# Altium PCB AC_DC_PCB.PcbDoc (continued)
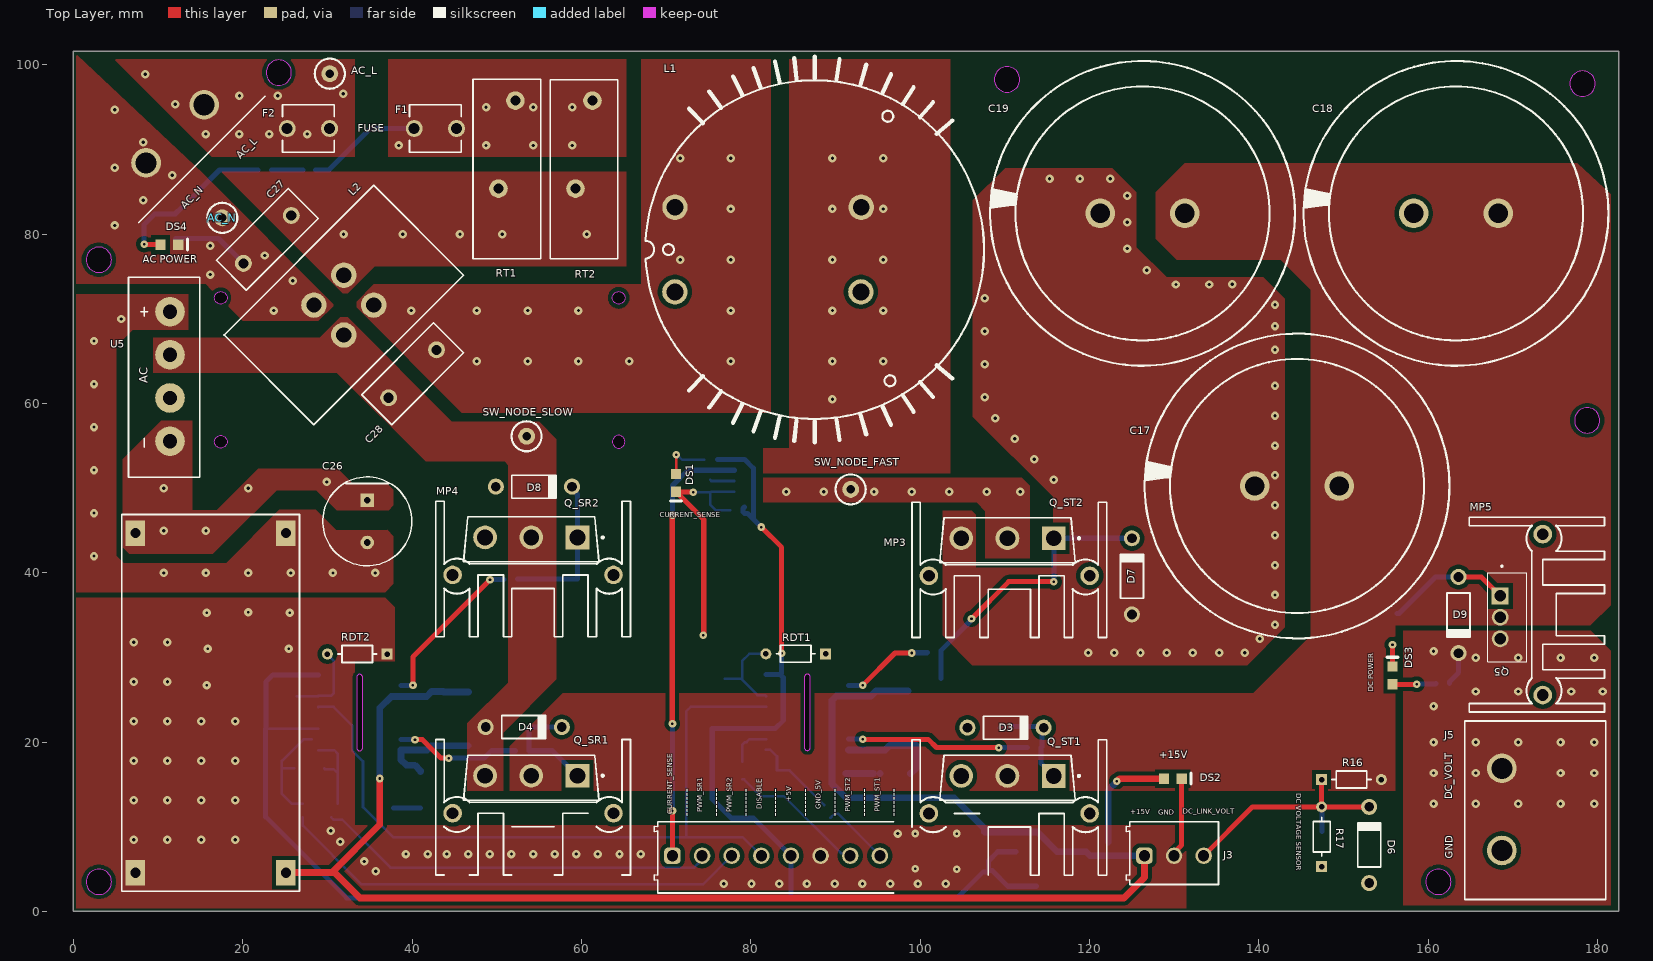
[diagram p0: Top Layer view]
## Part data (continued)
AC_L AC_N: library part TP, "Test Point, Miniature, Red, TH"
C1 C2 C3 C4 C5 C6 C7 C8 C9 C10 C11 C12 C13 C14 C15 C16 C20 C21 C22 C23 C24 C25 C29 C30 C31: library part CMP-1036-04552-2, "CAP CER 0.22UF 50V X7R 0805", Capacitance="0.22 μF", Manufacturer=KEMET, Manufacturer Part Number=C0805C224K5RACTU, Package=C0805C-DN, Temperature="-55°C to +125°C", Temperature Characteristic=X7R, Temperature Coefficient=30ppm/°C, Temperature Range High=+125°C, Temperature Range Low=-55°C, Tolerance=0.1, Voltage Rating="50 V", Automotive=No, Category=Cap, ComponentLink2Description=Datasheet, ComponentLink2URL=https://content.kemet.com/datasheets/KEM_C1003_C0G_SMD.pdf, Device Class L1="Passive Components", Device Class L2=Capacitors, Device Class L3="Ceramic Capacitors", Digikey Description="CAP CER 0.22UF 50V X7R 0805", Height=0.88mm, Ipc Land Pattern Name=CAPC200125X78, Lead Free=Yes, Material=Ceramic, Mouser Description="CAP CER 0.22UF 50V X7R 0805", Octopart=https://octopart.com/c0805c224k5ractu-kemet-144670, RoHS=TRUE
C17 C18 C19: library part C
C26: library part CMP-05427-001313-1, "Aluminum Electrolytic Capacitors (Radial Lead Type) AEC-Q200 Qualified 100uF ±20% 100V", Case/Package=Radial, ESR (Equivalent Series Resistance)=150mR, Leakage Current=3uA, Max Operating Temperature=105°C, Min Operating Temperature=-55°C, Package Quantity=100, Ratings=AEC-Q200, Ripple Current=698mA, Tolerance=20%, Voltage=100V, Capacitance=100uF, Construction=RADIAL, Contact Plating=Tin, Diameter=10mm, Dissipation Factor=0.07%, Height=30mm, Height - Seated (Max)=1.181inch, Impedance=150mR, Lead Diameter=0.6mm, Lead Free="Lead Free", Lead Pitch=5mm, Length=30mm, Life (Hours)=3000Hour, Mount="Through Hole", Number of Pins=2, Packaging=Bulk, Polarity=Polar, Radiation Hardening=No, REACH SVHC="No SVHC", Ripple Current (AC)=698mA, RoHS Compliant=Yes, Series=FC, Size=30mm, Termination=Radial, Voltage Rating=100V, Voltage Rating (DC)=100V
C27 C28: library part H124K, "H124K  / 450MPPN"
D1 D2: Package=None, Availability=Unavailable, MF="{'manufacturer': u'Taiwan Semiconductor'}", MP=ES3GB, Price=None
D3 D4 D7 D8 D9: library part CMP-0892-00005-1, "Zener Diode, 15V, 1W, 5%, -65 to 200 degC, 2-Pin DO-41, Body 2.72 x 5.2 mm, RoHS", Manufacturer="Fairchild Semiconductor", Operating and Storage Temperature Range="-65 to 200 degC", Test Current IZ (mA)=17, Tolerance=5%, ComponentLink1Description="Manufacturer URL", ComponentLink1URL=http://www.fairchildsemi.com/, ComponentLink2Description=Datasheet, ComponentLink2URL=http://www.fairchildsemi.com/ds/1N/1N4744A.pdf, ComponentLink3Description="Package Specification", ComponentLink3URL=http://www.fairchildsemi.com/dwg/DO/DO41A.pdf, DatasheetVersion="Rev. H3", IR (uA)=5, Mounting Technology="Through Hole", PackageDescription="2-Pin Axial leaded, Body 2.72 x 5.2 mm, Lead Spread 25.4 mm", PackageReference=DO-41-2, PackageVersion="Rev. 2", PartNumber=1N4744A, PD (W)=1, RoHS=TRUE, VZ (Max.) (V)=15.75, VZ (Min.) (V)=14.25, ZZ (Max) (ohm)=10
D5: library part CMP-12389-000001-1, "Rectifier, 1Kv, 1A, Do-214Ac Rohs Compliant: Yes"
D6: library part CMP-0892-00028-1, "Zener Diode, 3.3V, 1W, 5%, -65 to 200 degC, 2-Pin DO-41, Body 2.72 x 5.2 mm, RoHS", Manufacturer="Fairchild Semiconductor", Operating and Storage Temperature Range="-65 to 200 degC", Test Current IZ (mA)=76, Tolerance=5%, ComponentLink1Description="Manufacturer URL", ComponentLink1URL=http://www.fairchildsemi.com/, ComponentLink2Description=Datasheet, ComponentLink2URL=http://www.fairchildsemi.com/ds/1N/1N4744A.pdf, ComponentLink3Description="Package Specification", ComponentLink3URL=http://www.fairchildsemi.com/dwg/DO/DO41A.pdf, DatasheetVersion="Rev. H3", IR (uA)=100, Mounting Technology="Through Hole", PackageDescription="2-Pin Axial leaded, Body 2.72 x 5.2 mm, Lead Spread 25.4 mm", PackageReference=DO-41-2, PackageVersion="Rev. 2", PartNumber=1N4728A, PD (W)=1, RoHS=TRUE, VZ (Max.) (V)=3.465, VZ (Min.) (V)=3.135, ZZ (Max) (ohm)=10
DS1 DS2 DS3 DS4: library part CMP-2000-05062-1, "Chip LED, Green, 2.2 V, -40 to 85 degC, 2-Pin SMD, Pb-Free, Tape and Reel", Forward Current If=20mA, Forward Voltage=2.2V, Forward Voltage VF Max=2.6V, LED Colour=Green, Manufacturer=Avago, Operating Temperature Max=85degC, Operating Temperature Min=-30degC, Operating Temperature Range=-30degCto+85degC, Opto Case Style=SMD, Package Description="2-Pin Surface Mount Device, Body 2 x 1.25 mm, Height 0.8 mm", Package Reference=HSMX-C170, Storage Temperature Min=-40degC, Bulb Size=1.25mmx1.4mm, Datasheet URL=https://datasheet.ciiva.com/29280/180495-da-01-en-chip-led-hsmg-c170-gelb-gruen-29280971.pdf, Datasheet Version=Oct-08, Dominant Wavelength=572nm, Dominant Wavelength Typ=572nm, External Depth=0.8mm, External Length / Height=2mm, External Width=1.25mm, Forward Current If Max=20mA, LED Mounting=SMD, LED Type=Standard, Lens Shape=Rectangular, Light Area Height=1mm, Luminous Intensity=15mcd, Luminous Intensity Min=4mcd, Luminous Intensity Typ=15mcd, Manufacturer URL=http://www.avagotech.com/, Mounting Type=SMD, MSL=MSL2A-4weeks, No. of Pins=2, Opto Mounting Orientation=Top, Packaging=CutTape, Peak Forward Current=20mA, Peak Wavelength=570nm, PIV Max=5V, Storage Temperature Max=85degC, SVHC=NoSVHC(16-Jun-2014), Viewing Angle=170deg, Voltage Vf Typ=2.2V, Wavelength Typ=570nm
F1 F2: library part CMP-26292-000006-1, "FUSE CLIP CARTRIDGE 10A PCB", Ambient Temperature Range High=+85°C, Ambient Temperature Range Low=-40°C, Fuse Current=10A, Manufacturer=Schurter, Package=0, Voltage Rating Ac=500V, Automotive=No, Category=Fuse, ComponentLink2Description=Datasheet, ComponentLink2URL=https://us.schurter.com/bundles/snceschurter/epim/_ProdPool_/newDS/en/typ_OG__Clip__5x20.pdf, Conn Orientation=Horizontal, Device Class L1="Circuit Protection", Device Class L2="Fuse Holders", Device Class L3=unset, Digikey Description="FUSE CLIP CARTRIDGE 10A PCB", Height=8.9mm, Lead Free=Yes, Manufacturer Part Number=0751.0110, Number Of Fuses=1, Octopart=https://octopart.com/0751.0110-schurter-19402, RoHS=TRUE, Voltage Rating Dc=500V
L1: library part T60405-R6123-X425, Datasheet=https://eu.mouser.com/datasheet/2/599/6123-X425-240794.pdf
L2: library part Choke, "Common Mode Choke / Each Coil inductance = 16mH"
Q_SR1 Q_SR2 Q_ST1 Q_ST2: library part CMP-32901-000878-1, "MOSFET N-CH 200V 65A TO247AC", Case/Package=TO-247, Continuous Drain Current (ID)=65A, Drain to Source Voltage (Vdss)=200V, Gate to Source Voltage (Vgs)=30V, Input Capacitance=4.6nF, Max Operating Temperature=175°C, Max Power Dissipation=330W, Min Operating Temperature=-40°C, Threshold Voltage=5V, Contact Plating=Tin, Element Configuration=Single, Halogen Free="Not Halogen Free", Height=0.815inch, Lead Free="Lead Free", Length=0.625inch, Max Dual Supply Voltage=200V, Mount="Through Hole", Number of Pins=3, Packaging=Rail/Tube, Power Dissipation=330W, Rds On Max=25mR, REACH SVHC="No SVHC", RoHS Compliant=Yes, Series=HEXFET®, Turn-On Delay Time=33ns, Width=0.209inch
R1 R2 R3 R4 R5 R6 R7 R8 R9 R10 R11 R12 R13 R14 R15 R18 R19 R20: library part CMP-2100-03668-5, "RES 100K OHM 1% 1/8W 0805", Case Code (Imperial)=0805, Case Code (Metric)=2012, Max Operating Temperature=155°C, Max Power Dissipation=125mW, Min Operating Temperature=-55°C, Package Quantity=1, Resistance=100kR, Resistance Tolerance=1%, Resistor Type="Thick Film", Temperature Coefficient=100ppm/°C, Voltage Rating=150V, Case/Package=0805, Construction=Rectangular, Depth=1.25mm, Features="Moisture Resistant", Height=0.024inch, Lead Free="Lead Free", Lead Pitch=0.4mm, Length=0.079inch, Military Standard=Not, Number of Pins=2, Number of Terminations=2, Packaging="Tape and Reel", Power Rating=125mW, RoHS Compliant=Yes, Series=RC, Size Code=0805, Technology="THICK FILM", Termination=SMD/SMT, Tolerance=1%, Voltage Rating (DC)=150V, Width=0.049inch
R16 R17 RDT1 RDT2: library part RES
R21: library part CMP-2100-03668-5, "RES 47K OHM 1% 1/8W 0805", Case Code (Imperial)=0805, Case Code (Metric)=2012, Max Operating Temperature=155°C, Max Power Dissipation=125mW, Min Operating Temperature=-55°C, Package Quantity=1, Resistance=100kR, Resistance Tolerance=1%, Resistor Type="Thick Film", Temperature Coefficient=100ppm/°C, Voltage Rating=150V, Case/Package=0805, Construction=Rectangular, Depth=1.25mm, Features="Moisture Resistant", Height=0.024inch, Lead Free="Lead Free", Lead Pitch=0.4mm, Length=0.079inch, Military Standard=Not, Number of Pins=2, Number of Terminations=2, Packaging="Tape and Reel", Power Rating=125mW, RoHS Compliant=Yes, Series=RC, Size Code=0805, Technology="THICK FILM", Termination=SMD/SMT, Tolerance=1%, Voltage Rating (DC)=150V, Width=0.049inch
SW_NODE_FAST SW_NODE_SLOW: "Test Point, Miniature, Red, TH"
U1: library part CMP-2000-04990-2, "SENSOR CURRENT HALL 30A AC/DC", Case/Package=SOIC, Current Sensing=30A, Frequency=80kHz, Max Operating Temperature=85°C, Max Supply Current=13mA, Max Supply Voltage=5.5V, Min Operating Temperature=-40°C, Min Supply Voltage=4.5V, Operating Supply Voltage=5V, Output Current=10mA, Package Quantity=1, Accuracy=1.5%, Bandwidth=80kHz, Lead Free="Lead Free", Linearity=1.5%, Mount="Surface Mount", Number of Channels=1, Number of Pins=8, Packaging="Cut Tape", Polarity=Bidirectional, Quiescent Current=10mA, REACH SVHC="No SVHC", Response Time=5us, RoHS Compliant=Yes, Sensitivity=66mV/A, Series=-, Termination=SMD/SMT
U2 U3: library part CMP-04912-000047-1, "DGTL ISO 5.7KV GATE DRVR 16SOIC", Case/Package=SOIC, Max Operating Temperature=125°C, Max Output Current=6A, Max Supply Voltage=25V, Min Operating Temperature=-40°C, Min Supply Voltage=6.5V, Working Voltage=2.121kV, Lead Free="Lead Free", Number of Channels=2, Number of Pins=16, REACH SVHC="No SVHC"

## Free pads (board coordinates)
  round 3.5 hole 2.5: 1(15.432,95.276) 2(8.574,88.418)
  rect 2.3x3 hole 1.2 mask-2539.97: 1(25.09,44.691) 2(7.31,44.691) 4(7.31,4.559)
  round 2.2 hole 1.2: 1(52.2,95.775) 1(61.3,95.775) 2(50.2,85.375) 2(59.3,85.375)
  round 2.2 hole 1.4: 1(63.787,11.6) 1(120.037,11.575) 2(44.787,11.6) 2(101.037,11.575)
  rrect50% 1.95x1.95 hole 1.3: 1(70.75,6.575)
  rect 1.8x0.9 smd far side: 1(108.075,9.38) 3(108.075,4.82)
  round 1.95 hole 1.3: 2(74.25,6.575) 3(77.75,6.575) 4(81.25,6.575) 5(84.75,6.575) 6(88.25,6.575) 7(91.75,6.575) 8(95.25,6.575)
  rect 2.3x3 hole 1.2 paste-2539.97 mask-2539.97: 3(25.09,4.559)
  rect 6.2x5.45 smd far side: 4(101.875,7.1)

## Via types
v1: diameter 1, hole 0.4, Top Layer to Bottom Layer, 191 vias
v2: diameter 0.9, hole 0.3, Top Layer to Bottom Layer, tented both sides, 23 vias
v3: diameter 1, hole 0.3, Top Layer to Bottom Layer, 6 vias
v4: diameter 0.9, hole 0.3, Top Layer to Bottom Layer, 4 vias

## Nets (pads, with @x,y where several pads share a name; then routed paths per layer and width w, separated by ;. In a path a pad name is that pad's centre, name@x,y a point inside that pad or via, vN(x,y) a via of type N, cw(c..) or ccw(c..) an arc to the next point about the centre after c; other vN are vias at no path point)
+V_AC_RECTIFIER: C26.2 pad.1@25.09,44.691 U5.2
  other v1: 10.65,39.975 15.65,39.975 20.65,39.975 25.65,39.975 30.65,39.975 35.65,39.975 2.425,41.975 2.425,47.055 2.425,52.135 2.425,57.215 2.425,62.295 2.425,67.375 5.65,69.975
AC_LINE: C24.1 F1.1 pad.1@52.2,95.775 pad.1@61.3,95.775 | length 13.7
  Bottom Layer w0.6: C24.1 30.15,87.575 35.05,92.475 F1.1@40.25,92.475
  other v1: 38.4,90.475 48.733,90.475 54.317,90.475 58.9,90.475 48.733,94.975 54.317,94.975 58.9,94.975
AC_LINE_FLTR: C28.1 L1.1 L2.2 U5.1
  other v1: 47.65,64.975 53.65,64.975 59.65,64.975 65.65,64.975 77.65,64.975 39.9,70.975 47.65,70.975 53.65,70.975 59.65,70.975 77.65,70.975 71.65,76.975 77.65,76.975 77.65,82.975 71.65,88.975 77.65,88.975
AC_NEUTRAL: AC_N.1 C27.2 D5.2 DS4.2 L2.3 pad.2@8.574,88.418 | length 9.2
  Bottom Layer w0.6: D5.2 16.4,79.475 17.143,79.475 C27.2
  other v1: 23.65,70.975 25.9,74.475 16.15,75.225 22.575,77.475 16.15,78.625 4.875,81.025 8.262,84 11.65,86.975 4.875,87.863 8.262,90.838 4.875,94.7
AC_NEUTRAL_FLTR: C10.2 C11.2 C28.2 D4.1 L2.4 Q_SR1.3 Q_SR2.2 R4.1 SW_NODE_SLOW.1 U3.14 U5.3
CURRENT_MEASU: pad.1@70.75,6.575 U1.7 | length 51.9
  Top Layer w0.6: v2@70.725,22.15 70.725,46.519 70.9,46.694 v2@70.9,46.775 ; pad.1@70.75,6.575 v2(70.75,11.9)
  Bottom Layer w0.6: v2@70.725,22.15 70.75,22.125 v2(70.75,11.9) ; v2(70.75,46.775) 70.75,50.3 72.56,52.11 U1.7
  other v2: 70.75,22.15
DC_LINK: C17.1 C18.1 C19.1 Q5.2 Q_SR1.2 Q_ST1.2 R16.2
DC_VOLT_MEAS: C20.1 D6.2 J3.3 R16.1 R17.2 | length 28.2
  Top Layer w0.6: J3.3 139.275,12.35 R17.2 ; R16.1@147.433,15.641 R17.2 ; D6.2 R17.2
  Bottom Layer w0.6: R17.2 147.475,12.35 C20.1
DIS: pad.4@81.25,6.575 U2.5 U3.5 | length 89
  Bottom Layer w0.3: U3.5 28.935,24.15 30.725,24.15 32.949,21.926 32.949,18.973 34.2,17.722 34.2,12.325 37.775,8.75 72.4,8.75 ; pad.4@81.25,6.575 79.075,8.75 72.4,8.75 ; U2.5 72.91,24.16 72.4,23.65 72.4,8.75
DT_SR: C16.1 RDT2.2 U3.6 | length 9.5
  Bottom Layer w0.3: C16.1 26.351,25.401 28.867,25.401 28.916,25.45 30.425,25.45 30.75,25.775 30.75,29.603 29.991,30.362 RDT2.2
DT_ST: C9.1 RDT1.2 U2.6 | length 11.1
  Bottom Layer w0.3: C9.1 78.85,27.5 78.979,27.371 ; RDT1.2 79.825,30.425 78.979,29.579 78.979,27.371 ; U2.6 81.674,25.556 80.794,25.556 78.979,27.371
GATE_SR1: D4.2 Q_SR1.1 R2.1 R4.2 | length 13.6
  Bottom Layer w0.6: D4.2 57.673,21.764 53.841,21.764 53.827,21.75 R2.1 56.588,18.975 Q_SR1.1
GATE_SR2: D8.2 Q_SR2.1 R6.1 R8.2 | length 18.4
  Bottom Layer w0.6: R6.1 R8.2 Q_SR2.1 59.535,49.24 58.887,49.888 D8.2 ; D8.2@58.387,50.03 D8.2@58.387,50.173
GATE_ST1: D3.2 Q_ST1.1 R1.1 R3.2 | length 11.7
  Bottom Layer w0.6: R3.2 109.578,21.843 114.453,21.843 D3.2 114.406,21.51 114.406,19.454 R1.1 114.302,17.486 Q_ST1.1
GATE_ST2: D7.2 Q_ST2.1 R5.1 R7.2 | length 34.5
  Top Layer w0.6: v2(106.075,34.55) 110.475,38.95 v2(115.8,38.95)
  Bottom Layer w0.6: R7.2 102.452,30.802 106.018,34.368 106.018,34.493 v2(106.075,34.55) ; v2(115.8,38.95) 115.8,44.06 Q_ST2.1 D7.2
GND_VDD: C1.2 C2.2 C5.2 C8.2 C9.2 C12.2 C15.2 C16.2 C21.2 C22.2 C23.2 C25.2 C29.2 C30.2 C31.2 DS1.2 DS2.2 J3.2 pad.4@7.31,4.559 pad.4@101.875,7.1 pad.6 RDT1.1 RDT2.1 U1.5 U2.4 U3.4 | length 38.8
  Top Layer w0.6: DS1.2 DS1.2@71.225,49.525 ; v2(73.2,49.525) DS1.2@71.225,49.525 ; v2(74.4,32.6) 74.45,32.65 74.45,46.3 DS1.2@71.225,49.525 ; J3.2 130,6.94 130.9,7.84 DS2.2
  Bottom Layer w0.3: v2(73.2,49.525) 75.175,49.525 C2.2 ; C1.2 75.85,47.4 75.225,48.025 C2.2 ; U1.5 75.32,49.57 C2.2
  other v1: 76.811,3.275 80.088,3.275 83.364,3.275 86.641,3.275 89.918,3.275 93.195,3.275 96.471,3.275 99.748,3.275 103.025,3.275 35.725,4.75 34.35,5.9 39.273,6.775 41.825,6.775 44.078,6.775 46.63,6.775 49.182,6.775 51.734,6.775 54.287,6.775 56.839,6.775 59.391,6.775 61.943,6.775 64.495,6.775 67,6.775 31.525,8.25 7.1,8.45 11.1,8.45 15.1,8.45 19.1,8.45 97.375,9.2 30.4,9.55 7.1,13.117 11.1,13.117 15.1,13.117 19.1,13.117 7.1,17.783 11.1,17.783 15.1,17.783 19.1,17.783 7.1,22.45 11.1,22.45 15.1,22.45 19.1,22.45 7.1,27.117 11.1,27.117 7.1,31.783 11.1,31.783
  other v3: 15.725,26.7 15.85,31 25.45,31 15.725,35.3 25.55,35.3 20.637,35.35
  other v4: 104.35,5 99.425,5.025 99.425,9.2 104.35,9.2
INA_SR: C12.1 R14.2 U3.1 | length 10.2
  Bottom Layer w0.3: U3.1 28.917,19.05 30.8,19.05 31.2,18.65 31.2,16.325 ; C12.1 29.684,16.8 30.725,16.8 31.2,16.325 ; 31.2,12.711 31.2,16.325
INA_ST: C5.1 R11.2 U2.1 | length 10.6
  Bottom Layer w0.3: U2.1 82.325,19.08 83.1,18.305 C5.1 84.6,16.65 R11.2
INB_SR: C15.1 R15.2 U3.2 | length 12.9
  Bottom Layer w0.3: C15.1 24.625,16.884 ; R15.2 25.789,12.711 24.625,13.875 24.625,16.884 ; U3.2@28.166,20.321 27.171,20.321 24.625,17.775 24.625,16.884
INB_ST: C8.1 R12.2 U2.2 | length 5.1
  Bottom Layer w0.3: 78.975,17.702 C8.1 78.975,19.675 79.3,20 79.5,20 79.85,20.35 U2.2
MCP+ve: L1.2 U1.1 U1.2
  other v1: 89.65,60.475 89.65,64.975 95.65,64.975 89.65,70.975 95.65,70.975 89.65,76.975 95.65,76.975 89.65,82.975 95.65,82.975 89.65,88.975 95.65,88.975
NetC2_1: C2.1 U1.6 | length 2.9
  Bottom Layer w0.3: C2.1 75.36,50.84 U1.6
NetC24_2: C24.2 R20.2 | length 3.7
  Bottom Layer w0.6: R20.2 C24.2
NetC26_1: C26.1 pad.2@7.31,44.691 U5.4
  other v1: 10.65,44.975 15.65,44.975 10.65,49.975 20.65,49.975 29.9,50.725
NetC27_1: C27.1 L2.1 pad.2@50.2,85.375 pad.2@59.3,85.375
  other v1: 31.9,79.975 38.9,79.975 45.65,79.975 50.65,79.975 60.65,79.975
NetD1_A: D1.A R10.1 | length 3.3
  Bottom Layer w0.8: R10.1 D1.A
NetD2_A: D2.A R13.1 | length 3.2
  Bottom Layer w0.6: R13.1 D2.A
NetD5_1: D5.1 DS4.1 R20.1 | length 20.4
  Top Layer w0.6: v2(8.35,78.825) 8.387,78.788 10.237,78.788 DS4.1
  Bottom Layer w0.6: v2(8.35,78.825) 8.35,81.125 9.6,82.375 D5.1 12.05,82.425 12.75,83.125 12.8,83.125 17.25,87.575 R20.1
NetD9_1: D9.1 Q5.1 R21.2 | length 14.9
  Top Layer w0.6: D9.1 166.297,39.508 Q5.1
  Bottom Layer w0.6: R21.2 156.577,35.202 160.882,39.508 D9.1
NetD9_2: D9.2 J5.2 Q5.3 R19.2 | length 4.3
  Top Layer w0.6: Q5.3 Q5.3@168.625,32.1 ; J5.2@168.625,17 J5.2
  Bottom Layer w0.6: R19.2 162.527,27.127 163.6,28.2 D9.2
  other v1: 160.65,12.725 165.65,12.725 170.65,12.725 175.65,12.725 179.65,12.725 160.65,16.35 165.65,16.35 175.65,16.35 179.65,16.35 160.65,19.975 165.65,19.975 170.65,19.975 175.65,19.975 179.65,19.975 160.65,24.225 165.65,25.975 170.65,25.975 176.9,25.975 180.65,25.975 165.65,29.975 170.65,29.975 175.65,29.975 179.65,29.975 160.65,30.725
NetDS1_1: DS1.1 R9.1 | length 5.8
  Top Layer w0.3: DS1.1 71.2,51.7 v2(71.2,53.925)
  Bottom Layer w0.3: v2(71.2,53.925) 71.323,53.925 71.898,53.35 74.473,53.35 R9.1
NetDS2_1: DS2.1 R18.1 | length 13.3
  Top Layer w0.8: v2(123.25,15.375) 123.277,15.375 123.577,15.675 DS2.1
  Bottom Layer w0.8: R18.1 122.225,14.323 123.25,15.348 v2(123.25,15.375)
NetDS3_1: DS3.1 R19.1 | length 5.2
  Top Layer w0.6: DS3.1 v2(158.65,26.825)
  Bottom Layer w0.6: v2(158.65,26.825) 158.687,26.863 160.886,26.863 R19.1
NetF2_1: AC_L.1 F2.1 pad.1@15.432,95.276
  other v1: 15.608,91.825 19.6,91.825 23.108,91.825 27.608,91.825 12.042,95.363 19.608,96.325 24.108,96.325 31.858,96.575 8.475,98.9
OUT_SR1: R2.2 U3.15 | length 14.7
  Top Layer w0.6: v2@40.202,20.296 41.204,20.296 43.4,18.1 v2(44.325,18.1)
  Bottom Layer w0.6: U3.15@38.675,20.321 v2@40.075,20.321 ; v2@40.316,20.321 v2(40.341,20.296) ; v2(44.325,18.1) 48.488,18.1 49.363,18.975 R2.2
OUT_SR2: R6.2 U3.10 | length 19.2
  Top Layer w0.6: v2(40.1,26.696) 40.1,30.075 v2(49.2,39.175)
  Bottom Layer w0.6: U3.10@38.675,26.671 v2@40.075,26.671 ; v2@49.237,39.213 R6.2@50.835,39.213
OUT_ST1: R1.2 U2.15 | length 21.6
  Top Layer w0.6: v2(93.234,20.329) 100.953,20.329 101.931,19.35 v2(109.275,19.35)
  Bottom Layer w0.6: U2.15 93.213,20.35 v2(93.234,20.329) ; v2(109.275,19.35) R1.2
OUT_ST2: R5.2 U2.10 | length 10.9
  Top Layer w0.6: v2(93.234,26.721) 97.038,30.525 v2(99.025,30.525)
  Bottom Layer w0.6: U2.10 v2@93.213,26.7 ; v2(99.025,30.525) 99.05,30.55 100.823,30.55 R5.2
PWM_SR1: pad.2@74.25,6.575 R14.1 | length 47.1
  Bottom Layer w0.3: R14.1 30.704,10.853 31.747,10.853 37.425,5.175 69.849,5.175 69.874,5.15 71.626,5.15 71.651,5.175 73.309,5.175 73.772,5.638 73.772,5.65 74.25,6.129 pad.2@74.25,6.575
PWM_SR2: pad.3@77.75,6.575 R15.1 | length 55.9
  Bottom Layer w0.3: R15.1 27.1,10.125 34.025,3.2 74.375,3.2 pad.3@77.75,6.575
PWM_ST1: pad.8 R11.1 | length 7.8
  Bottom Layer w0.3: R11.1@89.417,11.058 R11.1@89.578,11.218 ; R11.1 89.925,11.541 90.284,11.541 pad.8
PWM_ST2: pad.7 R12.1 | length 16.5
  Bottom Layer w0.3: R12.1 79.202,15.598 81.175,13.625 83.9,13.625 90.642,6.883 91.442,6.883 pad.7
SW_NODE: C3.2 C4.2 D3.1 Q_ST1.3 Q_ST2.2 R3.1 SW_NODE_FAST.1 U1.3 U1.4 U2.14
  other v1: 84.179,49.55 88.622,49.55 94.564,49.55 99.006,49.55 103.449,49.55 107.891,49.55 111.833,49.55
VCCI: C1.1 C22.1 C23.1 C25.1 C29.1 C30.1 C31.1 pad.3@108.075,4.82 pad.5 R9.2 U1.8 U2.3 U2.8 U3.3 U3.8 | length 204.5
  Top Layer w0.6: v2(81.25,45.4) 83.65,43 v2(83.65,30.499)
  Bottom Layer w0.3: C30.1@22.725,21.591 C31.1 U3.3
  Bottom Layer w0.6: U3.8 23.566,27.941 22.725,27.1 22.725,21.591 22.7,21.566 22.7,11.175 32.275,1.6 84.75,1.6 ; R9.2 76.104,53.378 78.056,53.378 U1.8 78.064,53.375 79.275,53.375 80.307,52.343 80.307,46.372 ; C25.1 C29.1 75.45,13.275 77.725,11 80.325,11 pad.5 ; C25.1@79.009,21.62 U2.3 82.925,21.62 83.834,22.529 83.834,27.619 83.483,27.97 ; C1.1@79.25,47.775 79.075,47.6 79.075,47.2 79.25,47.025 79.625,47.025 v2(81.25,45.4) ; U2.8 83.483,27.97 ; v2@83.707,30.441 v2(83.65,30.499) 83.65,28.137 83.483,27.97 ; pad.5@84.75,6.45 84.75,1.6 ; C22.1 109.176,7.05 108.075,5.949 pad.3@108.075,4.82 ; C23.1 110.37,2.975 108.525,4.82 pad.3@108.075,4.82 ; 84.75,1.6 104.405,1.6 107.475,4.67 107.925,4.67 pad.3@108.075,4.82
VDD: C6.1 C7.1 C13.1 C14.1 C21.1 J3.1 pad.1@108.075,9.38 pad.3@25.09,4.559 R10.2 R13.2 R18.2 U2.11 U3.11 | length 202.3
  Top Layer w0.8: pad.3@25.34,4.6 30.825,4.6 33.825,1.6 124.075,1.6 126.5,4.025 J3.1 ; 30.525,4.6 36.175,10.25 v2(36.175,15.7)
  Bottom Layer w0.8: R13.2 v2@36.175,15.654 ; v2@36.175,15.654 v2(36.175,15.7) 36.175,24.036 37.54,25.401 U3.11@38.425,25.401 ; U3.11 41.726,25.401 42.3,25.975 43.671,25.975 43.725,25.921 C13.1 C14.1@46.675,25.921 ; C6.1 C7.1 94.8,26.025 94.205,25.43 U2.11 90.11,25.43 89.609,24.929 R10.2 89.605,16.271 89.605,15.07 91.25,13.425 104.025,13.425 107.575,9.875 107.575,9.43 107.64,9.365 113.86,9.365 116.175,7.05 C21.1 119.6,7.05 120.075,6.575 J3.1@126.525,6.575
VDDA_SR: C10.1 C11.1 D2.C U3.16 | length 12.2
  Bottom Layer w0.8: D2.C 40.975,16.61 40.315,17.27 39.33,17.27 38.7,17.9 38.7,19.017 U3.16 41.776,19.051 42.3,19.575 43.647,19.575 43.651,19.571 C11.1
VDDA_ST: C3.1 C4.1 D1.C U2.16 | length 11.9
  Bottom Layer w0.8: U2.16 95.889,19.08 96.409,19.6 C3.1 C4.1 ; D1.C 98.9,16.275 99.56,16.935 C4.1
VSSB: C6.2 C7.2 C13.2 C14.2 C17.2 C18.2 C19.2 C20.2 D6.1 D7.1 D8.1 DS3.2 J5.1 Q_SR2.3 Q_ST2.3 R7.1 R8.1 R17.1 R21.1 U2.9 U3.9 | length 2.6
  Top Layer w0.6: DS3.2 v2(155.8,31.5)
  other v1: 119.846,30.575 122.942,30.575 126.037,30.575 129.133,30.575 132.229,30.575 135.325,30.575 138.35,30.575 140.137,32.213 141.925,33.85 141.925,37.38 141.925,40.909 141.925,44.439 141.925,47.968 115.775,50.975 141.925,51.498 113.475,53.4 141.925,55.027 111.175,55.825 108.875,58.25 141.925,58.557 107.65,60.748 141.925,62.086 107.65,64.642 141.925,66.366 107.65,68.536 141.925,69.145 141.925,71.675 107.65,72.43 130.225,74.05 134.175,74.05 136.875,74.1 126.775,75.75 124.45,78.3 124.45,81.425 124.45,84.55 115.292,86.525 118.883,86.525 122.475,86.525
pads on no net: L1.3 L1.4 MP3.1 MP3.2 MP4.1 MP4.2 MP5.1 MP5.2 U2.7 U2.12 U2.13 U3.7 U3.12 U3.13

## Polygon pours and split planes (outlines as drawn)
NetF2_1 on Top Layer "NONET_L-01_P-001" (solid, pour order 5): 4.807,100.651 33.217,100.651 33.217,89.126 16.332,89.126
AC_LINE on Top Layer "NONET_L-01_P-001" (solid, pour order 6): 65.307,89.126 65.307,100.651 37.154,100.651 37.154,89.126
AC_NEUTRAL on Top Layer "NONET_L-01_P-001" (solid, pour order 4): 15.263,87.163 0.357,101.218 0.357,74.151 15.598,74.149 20.019,69.75 28.931,69.75 30.682,71.501 30.682,71.743
VSSB on Top Layer "NONET_L-01_P-001" (solid, pour order 37): 106.575,46.85 106.1,47.325 102.65,47.325 102.65,32.625 106.175,29.1 138.625,29.1 143.1,33.575 143.1,72.35 140.55,74.9 129.125,74.9 125.55,78.475 125.55,84.95 122.7,87.8 110.05,87.8 106.225,83.975 106.225,58.4 115.75,48.985 115.75,40.575 106.575,40.575
SW_NODE on Top Layer "NONET_L-01_P-001" (solid, pour order 41): 81.475,51.2 81.475,48.325 106.675,48.325 107.725,47.275 107.725,41.725 112.975,41.725 112.975,50.25 112.025,51.2
GND_VDD on Top Layer "NONET_L-01_P-001" (solid, pour order 40): 37.925,35.925 36.825,37.025 0,37.025 0,0.25 131.45,0.25 131.45,10.2 33.2,10.2 33.2,29.575 37.925,29.575
NetD9_2 on Top Layer "NONET_L-01_P-001" (solid, pour order 29): 179.215,33.15 181.575,30.79 181.575,0.75 157.075,0.75 157.075,33.15
DC_LINK on Top Layer "NONET_L-01_P-001" (solid, pour order 24): 179.175,33.775 181.575,36.175 181.575,84.725 177.65,88.35 131.25,88.35 127.85,84.95 127.85,79.45 130.325,76.975 142.625,76.975 146.175,73.425 146.175,32.575 139.375,25.775 57.8,25.775 51.525,19.5 51.525,14.25 156.1,14.25 156.1,33.775
MCP+ve on Top Layer "NONET_L-01_P-001" (solid, pour order 34): 103.55,100.65 84.55,100.65 84.55,54.7 81.475,54.7 81.475,51.775 103.55,51.775
AC_NEUTRAL_FLTR on Top Layer "NONET_L-01_P-001" (solid, pour order 12): 41.6,53.15 50.925,53.15 51.35,52.725 51.35,27.025 46.525,22.2 46.525,14.25 50.775,14.25 50.775,21.125 57.05,27.4 57.05,55.793 55.01,57.85 44.7,57.85 32.375,70.175 31.5,70.175 29.1,67.775 9.425,67.775 9.425,63.65 31.1,63.65
AC_LINE_FLTR on Top Layer "NONET_L-01_P-001" (solid, pour order 9): 45.874,58.926 33.442,71.358 33.442,72.042 35.47,74.07 67.05,74.071 67.05,100.651 82.375,100.651 82.375,58.926
+V_AC_RECTIFIER on Top Layer "NONET_L-01_P-001" (solid, pour order 14): 7.025,68.725 5.075,66.775 5.075,42 5.925,41.15 18.025,41.15 24.325,47.45 28.625,47.45 31.035,45.04 37.036,45.064 37.8,44.3 37.8,38.7 36.8,37.7 0,37.7 0,72.925 13.575,72.925 13.575,68.725
NetC26_1 on Top Layer "NONET_L-01_P-001" (solid, pour order 13): 5.8,43.025 6.6,42.225 16.45,42.225 18.6,44.375 24,49.775 28.7,49.775 31.1,47.375 37.25,47.375 37.8,47.95 37.8,49.825 37,50.575 32.9,50.575 31.2,52.275 21.85,52.275 16.95,47.375 14.025,47.375 14.025,57.975 10.375,57.975 5.8,53.4
NetC27_1 on Top Layer "NONET_L-01_P-001" (solid, pour order 7): 65.307,76.201 65.307,87.376 17.432,87.376 31.807,73.001 32.376,73.001 35.576,76.201
NetC26_1 on Bottom Layer "NONET_L-01_P-001" (solid, pour order 44): 5.8,43.025 6.6,42.225 16.45,42.225 18.6,44.375 24,49.775 28.7,49.775 31.1,47.375 37.25,47.375 37.8,47.95 37.8,49.825 37,50.575 32.9,50.575 31.2,52.275 21.85,52.275 16.95,47.375 14.025,47.375 14.025,57.975 10.375,57.975 5.8,53.4
+V_AC_RECTIFIER on Bottom Layer "NONET_L-01_P-001" (solid, pour order 43): 7.025,68.725 5.075,66.775 5.075,42 5.925,41.15 18.025,41.15 24.325,47.45 28.625,47.45 31.035,45.04 37.036,45.064 37.8,44.3 37.8,38.7 36.8,37.7 0,37.7 0,72.925 13.575,72.925 13.575,68.725
AC_LINE_FLTR on Bottom Layer "NONET_L-01_P-001" (solid, pour order 35): 45.874,58.926 33.442,71.358 33.442,72.042 35.47,74.07 67.05,74.071 67.05,100.651 82.375,100.651 82.375,58.926
GND_VDD on Bottom Layer "NONET_L-01_P-001" (solid, pour order 39): 37.925,35.9 36.825,37.025 0,37.025 0,0.25 131.45,0.25 131.45,10.15 97.15,10.15 94.975,12.35 91.1,12.35 85.875,17.575 85.875,27.825 86.475,28.425 88.6,28.425 89.75,29.575 89.75,32.075 88.3,33.525 72.85,33.525 72.85,9.25 38.3,9.25 33.825,13.725 33.825,29.575 37.925,29.575
NetD9_2 on Bottom Layer "NONET_L-01_P-001" (solid, pour order 42): 157.075,33.15 179.215,33.15 181.575,30.79 181.575,11.85 157.075,11.85
VSSB on Bottom Layer "NONET_L-01_P-001" (solid, pour order 23): 156.3,32.075 160.175,35.95 181.6,35.95 181.6,100.75 106.15,100.75 106.15,58.475 117.075,47.55 117.075,29.1 144.975,29.1 144.975,0.725 181.6,0.725 181.6,7.4 178.725,10.25 157.375,10.25 156.3,11.325
AC_NEUTRAL_FLTR on Bottom Layer "NONET_L-01_P-001" (solid, pour order 21): 40.221,22.221 41.5,23.5 52.75,23.5 52.75,20.65 41.2,20.65 40.775,21.075 37.55,21.075 37.55,22.221
VSSB on Bottom Layer "NONET_L-01_P-001" (solid, pour order 25): 94.675,27 94.067,27.608 90.6,27.608 90.6,38.4 65.95,38.4 65.95,26.95 40.962,26.95 40.287,27.625 37.825,27.625 37.825,28.4 40.275,28.4 41.65,29.775 46.875,29.775 46.875,52.3 53.125,52.3 53.125,47.325 105.4,47.325 106.575,46.125 106.575,27.975 105.6,27
NetF2_1 on Bottom Layer "NONET_L-01_P-001" (solid, pour order 28): 4.807,100.651 33.217,100.651 33.217,89.126 16.332,89.126
AC_NEUTRAL on Bottom Layer "NONET_L-01_P-001" (solid, pour order 30): 3.307,74.151 15.598,74.149 20.019,69.75 28.931,69.75 30.682,71.501 30.682,71.743 3.307,99.118
AC_LINE on Bottom Layer "NONET_L-01_P-001" (solid, pour order 31): 65.307,89.126 65.307,100.651 37.154,100.651 37.154,89.126
NetC27_1 on Bottom Layer "NONET_L-01_P-001" (solid, pour order 32): 65.307,76.201 65.307,86.65 18.159,86.65 31.807,73.001 32.376,73.001 35.576,76.201
MCP+ve on Bottom Layer "NONET_L-01_P-001" (solid, pour order 17): 103.55,100.65 84.55,100.65 84.55,54.7 81.475,54.7 81.475,51.775 103.55,51.775
SW_NODE on Bottom Layer "NONET_L-01_P-001" (solid, pour order 19): 112.975,50.25 112.025,51.2 81.475,51.2 81.475,48.325 106.675,48.325 107.725,47.275 107.725,27.825 103.475,23.575 95.115,23.575 93.8,22.25 90.625,22.25 90.625,21.104 93.85,21.104 94.379,20.575 102.55,20.575 103.05,20.084 103.05,15.2 103.875,14.375 106.45,14.375 106.45,19.85 112.975,26.375
AC_LINE_FLTR on Bottom Layer "NONET_L-01_P-001" (solid, pour order 16): 44.325,64.375 44.8,64.875 44.8,67.125 43.325,68.6 36.3,68.6 30.425,62.725 9.225,62.725 9.225,58.7 32.725,58.7 38.4,64.375
no net on Top Solder "NONET_L-01_P-001" (solid): 26.24,36.075 26.24,25.95 14.975,25.95 14.975,36.075
no net on Bottom Solder "NONET_L-01_P-001" (solid): 14.275,25.725 17.45,25.725 21.525,29.8 26.375,29.8 26.375,36.675 14.275,36.675

## Silkscreen, mask and mechanical layers (free items; w line width, h text height)
Top Overlay:
  lines w0.2: 7.721,81.368 22.628,96.275 ; 43.787,4.3 42.787,4.3 42.787,20.3 43.787,20.3 43.787,12.9 ; 46.787,4.3 47.787,4.3 47.787,11.6 50.787,11.6 50.787,4.3 51.787,4.3 ; 46.787,12.9 54.287,12.9 61.787,12.9 ; 51.787,10 56.787,10 ; 56.787,4.3 57.787,4.3 57.787,11.6 60.787,11.6 ; 64.787,4.3 65.787,4.3 65.787,20.3 64.787,20.3 64.787,12.9 ; 96.884,2.175 69,2.175 69,3.755 68.6,3.68 68.6,4.33 69,4.255 69,9.495 68.6,9.42 68.6,10.07 69,9.995 69,10.575 96.884,10.575 ; 99.037,9.925 99.037,20.275 100.037,20.275 100.037,12.875 ; 103.037,12.875 110.537,12.875 118.037,12.875 ; 104.037,11.575 107.037,11.575 ; 108.037,4.275 108.037,9.975 113.037,9.975 113.037,4.275 114.037,4.275 114.037,11.575 117.037,11.575 117.037,4.275 118.037,4.275 118.037,9.975 ; 121.037,9.975 121.037,4.275 122.037,4.275 122.037,20.275 121.037,20.275 121.037,12.875 ; 5.7,2.375 26.7,2.375 26.7,46.875 5.7,46.875 5.7,2.375 ; 47.2,77.075 47.2,98.3 55.2,98.3 55.2,77.075 47.2,77.075 ; 56.3,77.075 64.3,77.075 64.3,98.25 56.3,98.25 56.3,77.075
  lines w0.254: 43.787,10 ccw(c45.287,11.5) 46.787,10 ; 43.787,12.9 cw(c45.287,11.4) 46.787,12.9 ; 61.787,10 ccw(c63.287,11.5) 64.787,10 ; 61.787,12.9 cw(c63.287,11.4) 64.787,12.9 ; 100.037,9.975 ccw(c101.537,11.475) 103.037,9.975 ; 100.037,12.875 cw(c101.537,11.375) 103.037,12.875 ; 118.037,9.975 ccw(c119.537,11.475) 121.037,9.975 ; 118.037,12.875 cw(c119.537,11.375) 121.037,12.875
  text "FUSE" at 33.575,91.769 h1.5
  text "AC_L" at 19.952,88.585 h1.5 r45
  text "AC_N" at 13.402,82.685 h1.5 r45
  text "AC POWER" at 8.175,76.319 h1.5
  text "RT1" at 49.85,74.95 h0.9
  text "RT2" at 59.225,74.875 h0.9
  text "CURRENT_SENSE" at 69.25,46.315 h1
  text "DC POWER" at 153.737,25.95 h1 r90
  text "+15V" at 128.25,17.794 h1.5
  text "DC VOLTAGE SENSOR" at 144.213,13.95 h1 r270
  text "DC_VOLT" at 163.141,13.225 h1.5 r90
  text "+5V" at 85.044,12.981 h1 r90
  text "GND_5V" at 88.487,12.088 h1 r90
  text "DISABLE" at 81.551,12.042 h1 r90
  text "PWM_ST1" at 95.487,11.772 h1 r90
  text "PWM_ST2" at 91.987,11.759 h1 r90
  text "PWM_SR1" at 74.487,11.725 h1 r90
  text "PWM_SR2" at 77.987,11.712 h1 r90
  text "CURRENT_SENSE" at 70.987,11.483 h1 r90
  text "DC_LINK_VOLT" at 131.025,11.27 h1
  text "+15V" at 124.825,11.213 h1
  text "-------" at 72.825,11.2 h1 r90
  text "-------" at 76.325,11.2 h1 r90
  text "-------" at 79.825,11.2 h1 r90
  text "-------" at 83.325,11.2 h1 r90
  text "-------" at 86.825,11.2 h1 r90
  text "-------" at 90.325,11.2 h1 r90
  text "-------" at 93.825,11.2 h1 r90
  text "-------" at 97.325,11.2 h1 r90
  text "GND" at 128.119,11.208 h1
  text "GND" at 163.231,6.225 h1.5 r90
Bottom Overlay:
  circle w0.25: c108.075,10.38 r0.125
  text "BIDIRECTIONAL AC/DC CONVERTER" at 171.575,96.475 h2
  text "500 W" at 171.575,92.741 h2
  text "MAXIMUM AC INPUT: 40 V (RMS)" at 171.575,89.006 h2
  text "MAXIMUM DC INPUT: 85 V" at 171.575,85.272 h2
Top Paste:
  region: 23.94,3.059 23.94,6.059 26.24,6.059 26.24,3.059
Top Solder:
  region: 23.94,43.191 23.94,46.191 26.24,46.191 26.24,43.191
  region: 6.16,43.191 6.16,46.191 8.46,46.191 8.46,43.191
  region: 23.94,3.059 23.94,6.059 26.24,6.059 26.24,3.059
  region: 6.16,3.059 6.16,6.059 8.46,6.059 8.46,3.059
Bottom Solder:
  region: 23.94,43.191 23.94,46.191 26.24,46.191 26.24,43.191
  region: 6.16,43.191 6.16,46.191 8.46,46.191 8.46,43.191
  region: 23.94,3.059 23.94,6.059 26.24,6.059 26.24,3.059
  region: 6.16,3.059 6.16,6.059 8.46,6.059 8.46,3.059
Mechanical 1:
  circle w0.254: c161.225,3.2 r1.5
  circle w0.254: c178.25,97.775 r1.5
  circle w0.254: c110.275,98.275 r1.5
  circle w0.254: c178.8,58 r1.5
  lines w0.2: 0,0 0,101.575 182.5,101.575 182.5,0 0,0
Top Designator:
  text ".Designator" at 75.147,6.228 h1.5
Top Component Outline:
  lines w0.1: 96.884,3.175 69,3.175 69,3.755 68.6,3.68 68.6,4.33 69,4.255 69,9.495 68.6,9.42 68.6,10.07 69,9.995 69,10.575 96.884,10.575 ; 97,3.175 97,10.575
Top 3D Body:
  lines w0.1: 96.884,3.175 69,3.175 69,3.755 68.6,3.68 68.6,4.33 69,4.255 69,9.495 68.6,9.42 68.6,10.07 69,9.995 69,10.575 96.884,10.575 ; 97,3.175 97,10.575
Top Component Center:
  lines w0.05: 82.516,6.57 83.516,6.57 ; 83.016,6.07 83.016,7.07
Bottom Courtyard:
  lines w0.05: 98.675,3.7 109.075,3.7 109.075,10.5 98.675,10.5 98.675,3.7
  lines w0.1: 103.375,7.1 104.375,7.1 ; 103.875,6.6 103.875,7.6
Bottom 3D Body:
  lines w0.1: 99.725,3.8 105.925,3.8 105.925,10.4 99.725,10.4 99.725,3.8

## Text inside footprints (layer, text, board x,y; h text height)
U5: Top Overlay "AC" at 8.802,62.361 h1 r90